# Altium PCB H-00488.PcbDoc (part 7 of 9)
Units mm, origin at the board's own origin, x right, y up, seen from the top; angles counter-clockwise.
Board outline 141.5 x 129 mm, 4 copper layers (Top Layer, Ground Plane, Power Plane, Bottom Layer), stack 1.536 mm thick; 527 components, 572 nets, 2185 pads, 1060 vias.
Unrouted connection lines stored in the file: 97.
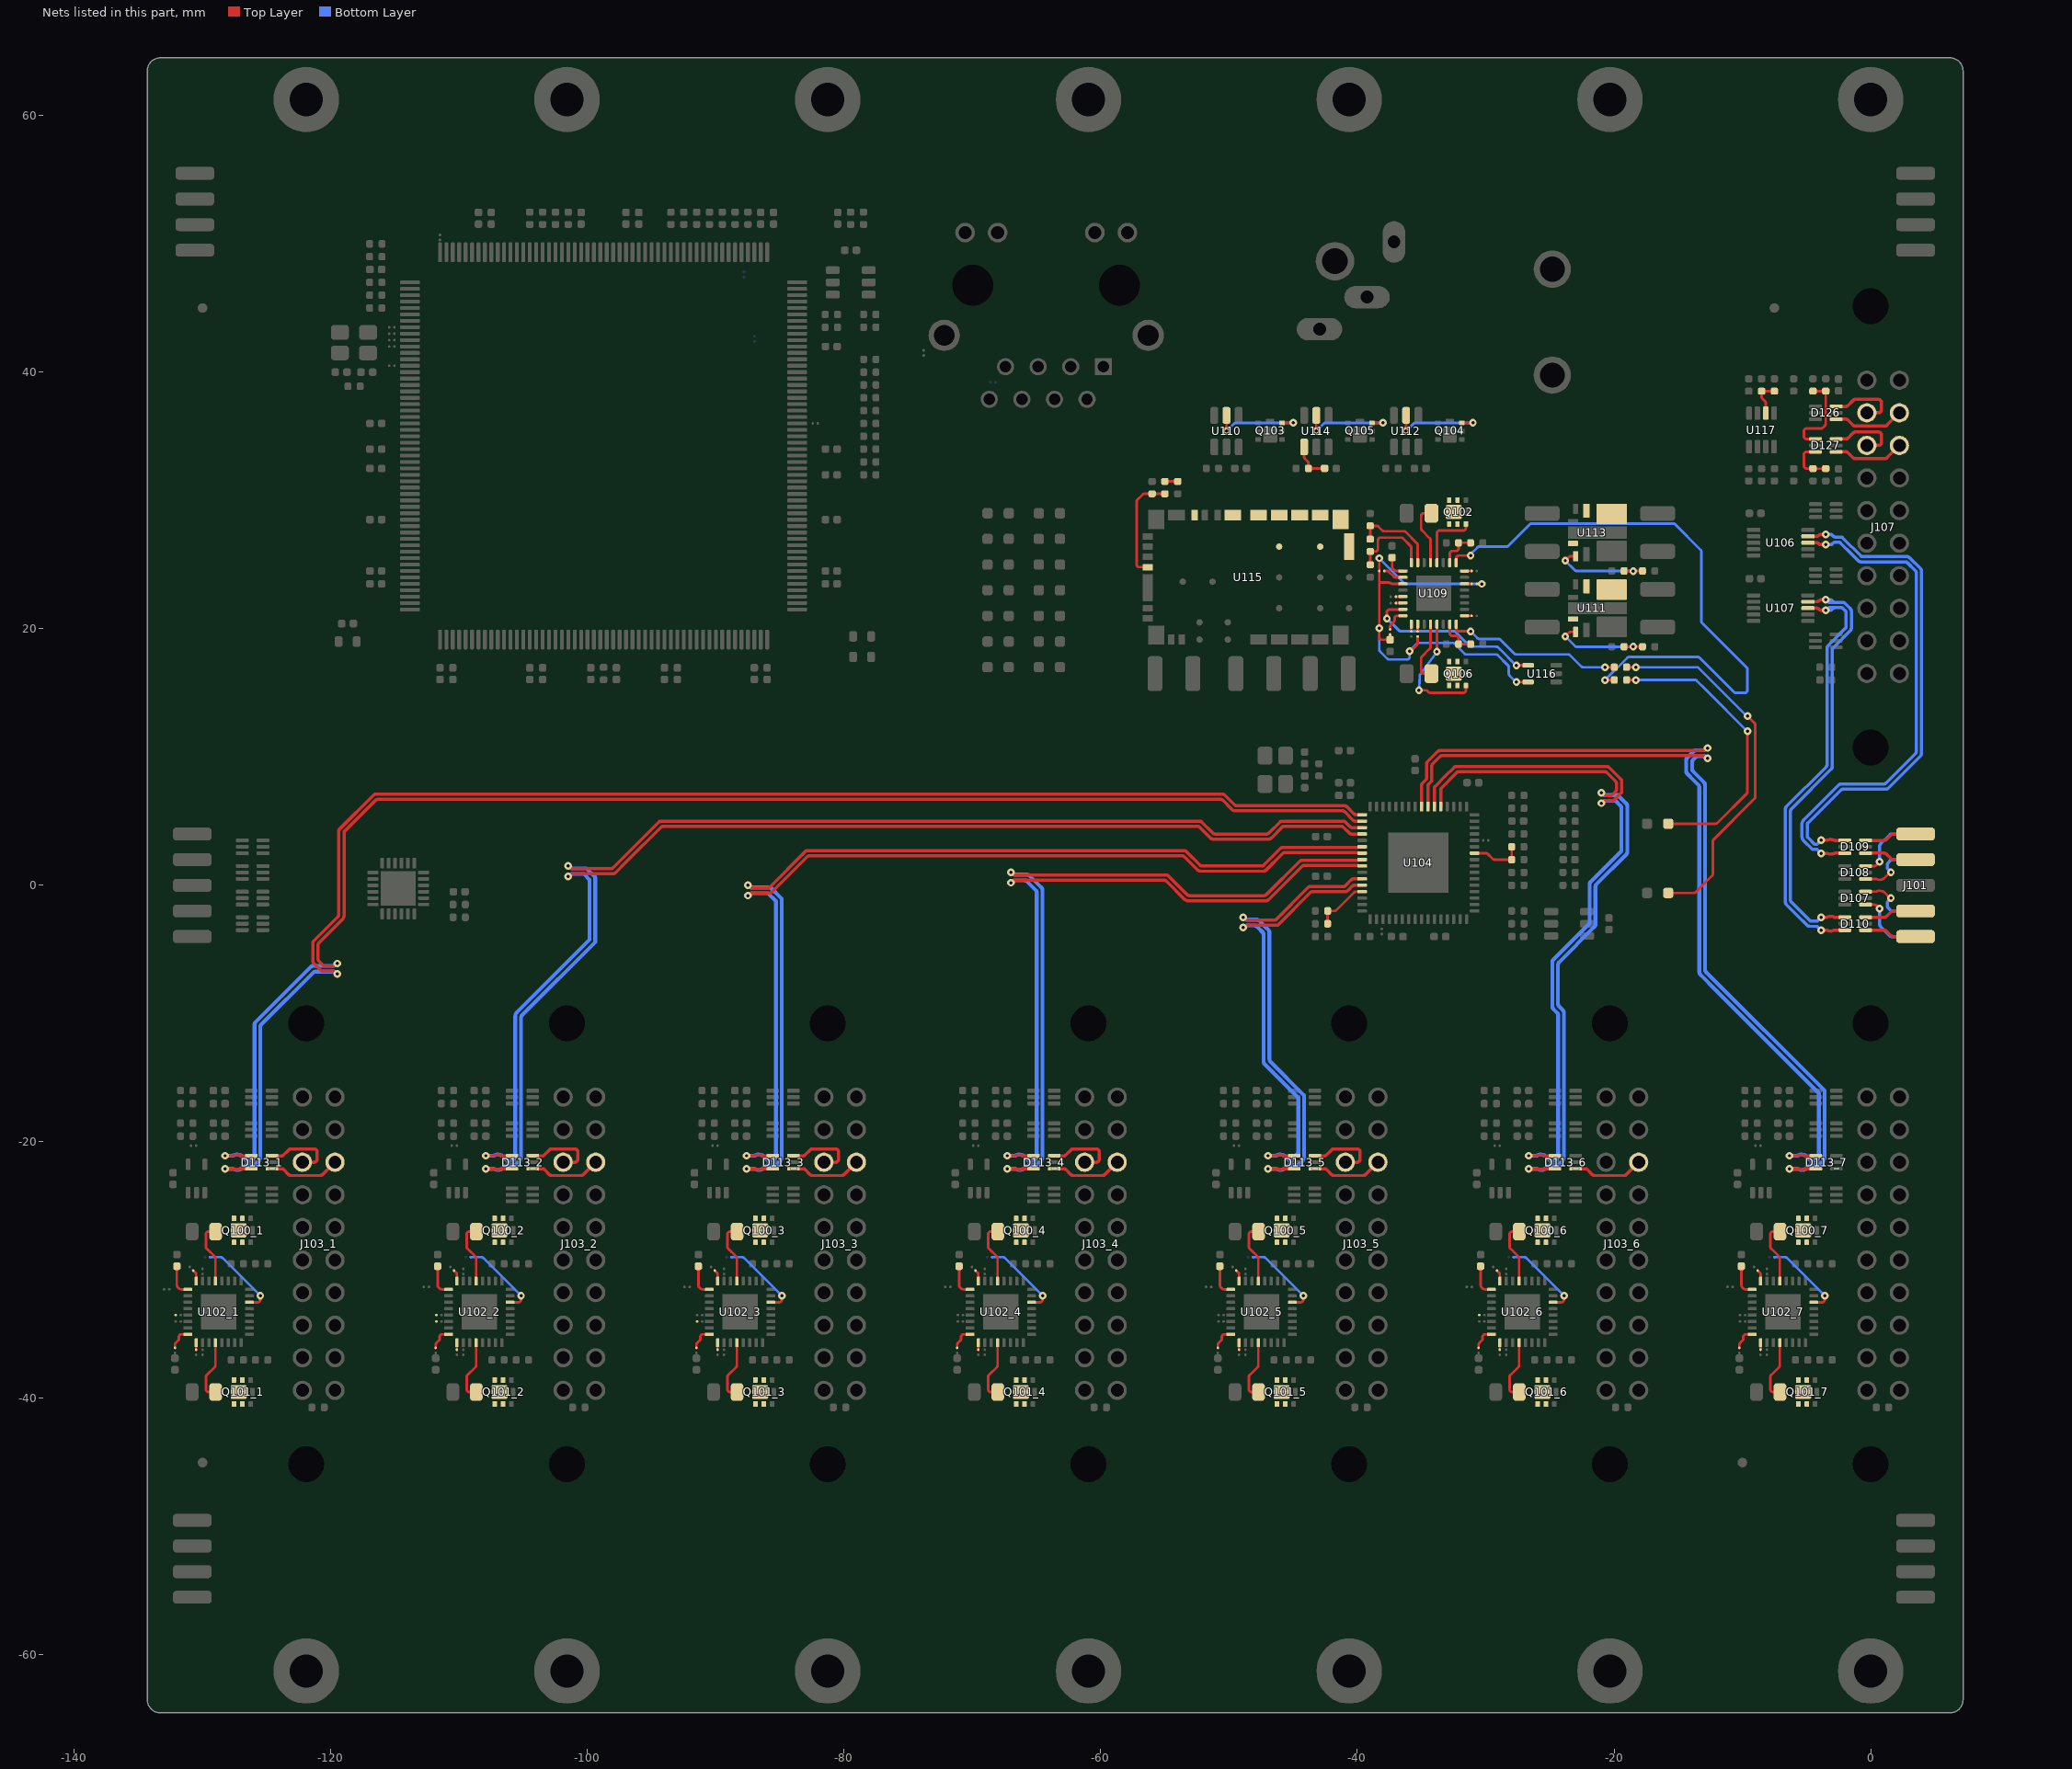
[diagram p9: the nets of this part, all layers, seen from the top]

## Via types
v1: diameter 0.6, hole 0.25, Top Layer to Bottom Layer, 934 vias
v2: diameter 0.7, hole 0.3, Top Layer to Bottom Layer, 112 vias
v3: diameter 1.27, hole 0.711, Top Layer to Bottom Layer, 14 vias

## Nets (pads, with @x,y where several pads share a name; then routed paths per layer and width w, separated by ;. In a path a pad name is that pad's centre, name@x,y a point inside that pad or via, vN(x,y) a via of type N, cw(c..) or ccw(c..) an arc to the next point about the centre after c; other vN are vias at no path point) (continued)
NetC169_1: C169.1 R185.2 U114.1 | length 3.1
  Top Layer w0.2: U114.1@-44.15,34.17 -44.15,33.391 ccw(c-43.95,33.392) -44.092,33.251 -43.878,33.037 ; -43.878,33.037 cw(c-44.02,32.897) -43.82,32.897 R185.2@-43.82,32.5 C169.1@-42.555,32.5
NetNT125_2_1: NT125_2.1
NetNT125_3_1: NT125_3.1
NetNT126_1_1: NT126_1.1
NetNT126_2_1: NT126_2.1
NetNT126_6_1: NT126_6.1
NetR101_2: R101.2 R193.1 | length 1
  Top Layer w0.2: R193.1@-55,31.48 R101.2@-54,31.48
NetR182_2: R182.2 R184.1 U111.1 | length 8
  Top Layer w0.2: v1(-23.8,19.4) -23.508,19.692 cw(c-23.367,19.55) -23.367,19.75 U111.1@-23,19.75 ; R182.2@-19.22,18.6 -18.54,18.6 cw(c-18.54,18.4) v1(-18.5,18.596) cw(c-18.46,18.4) -18.461,18.6 R184.1@-17.8,18.6
  Bottom Layer w0.2: v1(-23.8,19.4) -23.054,18.654 ccw(c-22.913,18.796) -22.914,18.596 -18.504,18.596 v1@-18.5,18.6
NetR186_2: R186.2 R187.1 U113.1 | length 8
  Top Layer w0.2: v1(-23.8,25.3) -23.508,25.592 cw(c-23.367,25.45) -23.367,25.65 U113.1@-23,25.65 ; R186.2@-19.22,24.5 -18.54,24.5 cw(c-18.54,24.3) v1(-18.5,24.496) cw(c-18.46,24.3) -18.461,24.5 R187.1@-17.8,24.5
  Bottom Layer w0.2: v1(-23.8,25.3) -23.054,24.554 ccw(c-22.913,24.696) -22.914,24.496 -18.504,24.496 v1@-18.5,24.5
NetR193_2: R193.2 R194.1 U115.15 | length 8.4
  Top Layer w0.2: -56.391,30.52 -56.597,30.52 ccw(c-56.597,30.32) -56.738,30.462 -57.142,30.058 ccw(c-57,29.917) -57.2,29.918 -57.2,25 ccw(c-57,25) -57,24.8 U115.15@-56.35,24.8 ; -56.39,30.52 R194.1@-56,30.52 R193.2@-55,30.52
ON_1: NT122_1.2 U102_1.22 | length 6.4
  Top Layer w0.2: U102_1.22@-126.346,-32.504 -125.7,-32.504 ccw(c-125.7,-32.304) -125.5,-32.304 v1(-125.5,-32.003)
  Bottom Layer w0.2: NT122_1.2@-129.41,-28.986 -128.596,-28.986 cw(c-128.596,-29.186) -128.455,-29.045 -125.51,-31.99 ccw(c-125.369,-31.848) v1@-125.5,-31.999
ON_2: NT122_2.2 U102_2.22 | length 6.4
  Top Layer w0.2: U102_2.22@-106.026,-32.504 -105.38,-32.504 ccw(c-105.38,-32.304) -105.18,-32.304 v1(-105.18,-32.003)
  Bottom Layer w0.2: NT122_2.2@-109.09,-28.986 -108.276,-28.986 cw(c-108.276,-29.186) -108.135,-29.045 v1@-105.19,-31.99
ON_3: NT122_3.2 U102_3.22 | length 6.4
  Top Layer w0.2: U102_3.22@-85.706,-32.504 -85.06,-32.504 ccw(c-85.06,-32.304) -84.86,-32.304 v1(-84.86,-32.003)
  Bottom Layer w0.2: NT122_3.2@-88.77,-28.986 -87.956,-28.986 cw(c-87.956,-29.186) -87.815,-29.045 v1@-84.87,-31.99
ON_4: NT122_4.2 U102_4.22 | length 6.4
  Top Layer w0.2: U102_4.22@-65.386,-32.504 -64.74,-32.504 ccw(c-64.74,-32.304) -64.54,-32.304 v1(-64.54,-32.003)
  Bottom Layer w0.2: NT122_4.2@-68.45,-28.986 -67.636,-28.986 cw(c-67.636,-29.186) -67.495,-29.045 v1@-64.55,-31.99
ON_5: NT122_5.2 U102_5.22 | length 6.4
  Top Layer w0.2: U102_5.22@-45.066,-32.504 -44.42,-32.504 ccw(c-44.42,-32.304) -44.22,-32.304 v1(-44.22,-32.003)
  Bottom Layer w0.2: NT122_5.2@-48.13,-28.986 -47.316,-28.986 cw(c-47.316,-29.186) -47.175,-29.045 v1@-44.23,-31.99
ON_6: NT122_6.2 U102_6.22 | length 6.4
  Top Layer w0.2: U102_6.22@-24.746,-32.504 -24.1,-32.504 ccw(c-24.1,-32.304) -23.9,-32.304 v1(-23.9,-32.003)
  Bottom Layer w0.2: NT122_6.2@-27.81,-28.986 -26.996,-28.986 cw(c-26.996,-29.186) -26.855,-29.045 v1@-23.91,-31.99
ON_7: NT122_7.2 U102_7.22 | length 6.4
  Top Layer w0.2: U102_7.22@-4.426,-32.504 -3.78,-32.504 ccw(c-3.78,-32.304) -3.58,-32.304 v1(-3.58,-32.003)
  Bottom Layer w0.2: NT122_7.2@-7.49,-28.986 -6.676,-28.986 cw(c-6.676,-29.186) -6.535,-29.045 v1@-3.59,-31.99
OV1_1: NT119_1.2 U102_1.32 | length 0.9
  Top Layer w0.2: NT119_1.2@-130.725,-30.033 -130.559,-30.2 cw(c-130.7,-30.341) -130.5,-30.341 U102_1.32@-130.5,-30.854
OV1_2: NT119_2.2 U102_2.32 | length 0.9
  Top Layer w0.2: NT119_2.2@-110.406,-30.033 -110.239,-30.2 cw(c-110.38,-30.341) -110.18,-30.341 U102_2.32@-110.18,-30.854
OV1_3: NT119_3.2 U102_3.32 | length 0.9
  Top Layer w0.2: NT119_3.2@-90.086,-30.033 -89.919,-30.2 cw(c-90.06,-30.341) -89.86,-30.341 U102_3.32@-89.86,-30.854
OV1_4: NT119_4.2 U102_4.32 | length 0.9
  Top Layer w0.2: NT119_4.2@-69.766,-30.033 -69.599,-30.2 cw(c-69.74,-30.341) -69.54,-30.341 U102_4.32@-69.54,-30.854
OV1_5: NT119_5.2 U102_5.32 | length 0.9
  Top Layer w0.2: NT119_5.2@-49.446,-30.033 -49.279,-30.2 cw(c-49.42,-30.341) -49.22,-30.341 U102_5.32@-49.22,-30.854
OV1_6: NT119_6.2 U102_6.32 | length 0.9
  Top Layer w0.2: NT119_6.2@-29.126,-30.033 -28.959,-30.2 cw(c-29.1,-30.341) -28.9,-30.341 U102_6.32@-28.9,-30.854
OV1_7: NT119_7.2 U102_7.32 | length 0.9
  Top Layer w0.2: NT119_7.2@-8.806,-30.033 -8.639,-30.2 cw(c-8.78,-30.341) -8.58,-30.341 U102_7.32@-8.58,-30.854
OV2_1: NT121_1.2 U102_1.9 | length 0.6
  Top Layer w0.2: NT121_1.2@-130.5,-36.2 U102_1.9@-130.5,-35.654 U102_1.9@-130.496,-35.65
OV2_2: NT121_2.2 U102_2.9 | length 0.6
  Top Layer w0.2: NT121_2.2@-110.18,-36.2 U102_2.9@-110.18,-35.654 U102_2.9@-110.176,-35.65
OV2_3: NT121_3.2 U102_3.9 | length 0.6
  Top Layer w0.2: NT121_3.2@-89.86,-36.2 U102_3.9@-89.86,-35.654 U102_3.9@-89.856,-35.65
OV2_4: NT121_4.2 U102_4.9 | length 0.6
  Top Layer w0.2: NT121_4.2@-69.54,-36.2 U102_4.9@-69.54,-35.654 U102_4.9@-69.536,-35.65
OV2_5: NT121_5.2 U102_5.9 | length 0.6
  Top Layer w0.2: NT121_5.2@-49.22,-36.2 U102_5.9@-49.22,-35.654 U102_5.9@-49.216,-35.65
OV2_6: NT121_6.2 U102_6.9 | length 0.6
  Top Layer w0.2: NT121_6.2@-28.9,-36.2 U102_6.9@-28.9,-35.654 U102_6.9@-28.896,-35.65
OV2_7: NT121_7.2 U102_7.9 | length 0.6
  Top Layer w0.2: NT121_7.2@-8.58,-36.2 U102_7.9@-8.58,-35.654 U102_7.9@-8.576,-35.65
PWR_ADR0: NT137.2 U109.5 | length 0.6
  Top Layer w0.2: NT137.2@-37,22.5 U109.5@-36.45,22.5
PWR_ADR1: NT136.2 U109.6 | length 0.6
  Top Layer w0.2: NT136.2@-37,22 U109.6@-36.45,22
PWR_ADR2: U109.7 U116.4 | length 14.5
  Top Layer w0.2: v1@-37.7,20.603 -37.7,21.301 cw(c-37.5,21.3) -37.501,21.5 U109.7@-36.45,21.5 ; v1(-27.6,17.15) U116.4@-26.7,17.15
  Bottom Layer w0.2: v1(-37.7,20.8) cw(c-37.835,20.652) -37.694,20.794 -36.759,19.859 ccw(c-36.617,20) -36.618,19.8 -32.483,19.8 cw(c-32.483,19.6) -32.342,19.742 -32.211,19.611 -31.601,19.001 -31.258,18.658 ccw(c-31.117,18.8) -31.119,18.6 -29.183,18.6 cw(c-29.183,18.4) -29.041,18.541 -28.9,18.4 v1@-27.65,17.15
PWR_CONFIG: NT135.2 U109.2 | length 1.6
  Top Layer w0.2: NT135.2@-37.9,24.5 ccw(c-37.897,24.7) -37.898,24.5 -37.699,24.5 cw(c-37.699,24.3) -37.558,24.442 -37.173,24.058 ccw(c-37.033,24.2) -37.035,24 U109.2@-36.45,24
PWR_EN1: NT132.1 U109.24 | length 0.6
  Top Layer w0.2: U109.24@-31.65,24.496 -31.646,24.5 NT132.1@-31.1,24.5
PWR_EN2: NT134.1 U109.17 | length 0.5
  Top Layer w0.2: U109.17@-31.6,21 NT134.1@-31.1,21
PWR_EN_2P1: U113.9
PWR_EN_3P3: U111.9
PWR_FB1: R177.2 R180.1 U109.26 | length 3
  Top Layer w0.2: U109.26@-32.8,25.15 -32.8,25.857 cw(c-32.6,25.858) -32.601,26.058 -32.32,26.058 ccw(c-32.32,26.258) -32.12,26.259 R177.2@-32.12,26.7 R180.1@-31.18,26.7
PWR_FB2: R189.2 R190.1 U109.15 | length 3
  Top Layer w0.2: U109.15@-32.8,20.35 -32.8,19.643 ccw(c-32.6,19.642) -32.601,19.442 -32.32,19.442 cw(c-32.32,19.242) -32.12,19.241 R189.2@-32.12,18.8 R190.1@-31.18,18.8
PWR_GATE1: Q102.3 U109.28 | length 5.1
  Top Layer w0.2: U109.28@-33.8,25.15 -33.8,27.453 cw(c-33.6,27.452) -33.601,27.652 -31.749,27.652 ccw(c-31.75,27.852) -31.55,27.852 Q102.3@-31.55,28.165
PWR_GATE2: Q106.3 U109.13 | length 10
  Top Layer w0.2: v1(-35.2,15.2) -34.683,15.2 cw(c-34.683,15) -34.542,15.142 -34.499,15.099 -34.459,15.059 ccw(c-34.317,15.2) -34.317,15 -31.749,15 ccw(c-31.75,15.2) -31.55,15.2 Q106.3@-31.55,15.565 ; v1(-33.8,18.2) -33.8,20.096 U109.13@-33.8,20.346
  Bottom Layer w0.2: v1@-35.2,15 -35.149,16.386 v1(-33.8,18.2)
PWR_GATEA: Q103.3 U110.5 | length 7.5
  Top Layer w0.2: v1(-50.2,35.4) U110.5@-50.2,36.63 ; Q103.3@-45.865,36.05 v1@-45.05,36.05
  Bottom Layer w0.2: v1(-50.2,35.4) -49.609,35.991 cw(c-49.467,35.85) -49.468,36.05 ; -49.467,36.05 v1(-45,36.05)
PWR_GATEB: Q104.3 U112.5 | length 7.6
  Top Layer w0.2: v1(-36.2,35.4) U112.5@-36.2,36.63 ; Q104.3@-31.865,36.05 -31.05,36.05 v1@-31,36
  Bottom Layer w0.2: v1(-36.2,35.4) -35.609,35.991 cw(c-35.467,35.85) -35.468,36.05 v1(-31,36.05)
PWR_GATEC: Q105.3 U114.5 | length 7.5
  Top Layer w0.2: v1(-43.2,35.4) U114.5@-43.2,36.63 ; Q105.3@-38.865,36.05 v1@-38.05,36.05
  Bottom Layer w0.2: v1(-43.2,35.4) -42.609,35.991 cw(c-42.467,35.85) -42.468,36.05 ; -42.467,36.05 v1(-38,36.05)
PWR_INTVCC: C172.1 NT129.1 NT131.1 NT133.1 NT135.1 U109.3 U116.5 | length 36.1
  Top Layer w0.2: -38.3,23.601 -38.3,24.001 NT135.1@-38.3,24.5 -38.3,25.382 ccw(c-38.5,25.381) -38.303,25.415 cw(c-38.106,25.45) v1(-38.3,25.5) ; NT133.1@-37.454,19.546 C172.1@-37.454,19.138 -38.1,19.138 cw(c-38.1,19.338) -38.3,19.336 v1(-38.3,20.03) -38.3,23.597 -37.551,23.597 cw(c-37.55,23.397) -37.442,23.565 -37.427,23.556 ccw(c-37.288,23.7) -37.288,23.5 -36.7,23.5 U109.3@-36.45,23.5 ; v1(-35.929,18.254) ccw(c-35.929,18.454) -35.788,18.313 -35.359,18.741 ccw(c-35.5,18.883) -35.3,18.883 NT129.1@-35.3,19.4 ; NT131.1@-30.7,23.5 -30.4,23.5 -30.396,23.496 v1(-30.3,23.496) ; v1(-27.6,15.85) U116.5@-26.7,15.85
  Bottom Layer w0.2: v1@-38.3,20 -38.3,18.382 ccw(c-38.1,18.383) -38.243,18.243 -37.659,17.659 ccw(c-37.517,17.8) -37.517,17.6 -36.128,17.6 ccw(c-36.129,17.8) -35.929,17.8 v1(-35.929,18.254) ; v1@-38.3,25.4 -38.2,25.4 -36.296,23.496 v1(-30.3,23.496) ; v1(-35.929,18.254) -35.938,18.262 -35.359,18.841 cw(c-35.217,18.7) -35.217,18.9 -32.583,18.9 cw(c-32.583,18.7) -32.441,18.841 -31.659,18.059 ccw(c-31.517,18.2) -31.517,18 -29.202,18 cw(c-29.202,17.8) -29.061,17.942 -28.258,17.139 cw(c-28.4,16.998) -28.2,16.998 -28.2,16.483 ccw(c-28,16.483) -28.142,16.342 ; -28.141,16.341 -27.704,15.904 ccw(c-27.564,16.047) v1(-27.6,15.85)
PWR_LM_VCC: U115.9
PWR_ON: NT131.2 U109.22 | length 0.5
  Top Layer w0.2: U109.22@-31.6,23.5 NT131.2@-31.1,23.5
PWR_OV1: R179.2 R181.1 U109.32 | length 6.7
  Top Layer w0.2: R181.1@-39,24.98 R179.2@-39,26.02 -38.6,26.02 ccw(c-38.6,26.22) -38.4,26.22 -38.4,26.901 cw(c-38.2,26.9) -38.2,27.1 -36.583,27.1 cw(c-36.583,26.9) -36.442,27.042 -35.859,26.459 cw(c-36,26.317) -35.8,26.318 ; U109.32@-35.8,25.15 -35.8,26.317
PWR_OV2: NT130.2 U109.9 | length 0.6
  Top Layer w0.2: NT130.2@-35.8,19.8 -35.8,20.346 U109.9@-35.796,20.35
PWR_PGOOD_5V: R192.2 U109.16 | length 13.9
  Top Layer w0.2: U109.16@-32.3,20.35 -32.3,19.999 ccw(c-32.1,20) -32.101,19.8 -31.607,19.8 -31.26,19.8 v1(-31.18,19.8) ; v1(-20.7,17) R192.2@-19.98,17
  Bottom Layer w0.2: v1(-31.18,19.8) -30.639,19.259 ccw(c-30.497,19.4) -30.497,19.2 -28.983,19.2 cw(c-28.983,19) -28.841,19.141 -27.758,18.058 ccw(c-27.617,18.2) -27.619,18 -23.583,18 cw(c-23.583,17.8) -23.442,17.942 -22.559,17.059 ccw(c-22.417,17.2) -22.419,17 v1(-20.7,17)
PWR_PGOOD_5V_R: D132.C R192.1 | length 29
  Top Layer w0.2: R192.1@-19.02,17 v1(-18.3,17) ; D132.C@-15.775,-0.6 -13.783,-0.6 ccw(c-13.783,-0.4) -13.642,-0.542 -12.358,0.742 ccw(c-12.5,0.883) -12.3,0.883 -12.3,3.418 cw(c-12.1,3.417) -12.242,3.558 -9.059,6.741 ccw(c-9.2,6.883) -9,6.883 -9,12.517 ccw(c-9.2,12.517) -9.059,12.659 v1(-9.6,13.2)
  Bottom Layer w0.2: v1(-18.3,17) -13.473,17 -9.673,13.2 v1(-9.6,13.2)
PWR_PGOOD_24V: R191.2 U109.25 | length 47.6
  Top Layer w0.2: U109.25@-32.3,25.15 -32.3,25.501 cw(c-32.1,25.5) -32.101,25.7 -31.607,25.7 -31.26,25.7 v1(-31.18,25.7) ; v1(-20.7,16) R191.2@-19.98,16
  Bottom Layer w0.2: v1@-31.2,25.78 -30.638,26.341 cw(c-30.497,26.2) -30.497,26.4 -28.383,26.4 ccw(c-28.383,26.6) -28.242,26.458 -26.558,28.142 cw(c-26.417,28) -26.417,28.2 -15.383,28.2 cw(c-15.383,28) -15.241,28.141 -13.259,26.159 cw(c-13.4,26.017) -13.2,26.018 ; v1(-20.7,16) -18.959,17.741 cw(c-18.817,17.6) -18.817,17.8 -13.483,17.8 cw(c-13.483,17.6) -13.342,17.742 -10.658,15.058 ccw(c-10.517,15.2) -10.518,15 -9.799,15 ccw(c-9.8,15.2) -9.6,15.2 -9.6,16.817 ; -13.2,26.017 -13.2,20.583 ccw(c-13,20.583) -13.142,20.442 -9.658,16.958 cw(c-9.8,16.817) -9.6,16.818
PWR_PGOOD_24V_R: D131.C R191.1 | length 22.9
  Top Layer w0.2: R191.1@-19.02,16 v1(-18.3,16) ; D131.C@-15.775,4.8 -12.083,4.8 ccw(c-12.083,5) -11.942,4.858 -9.659,7.141 ccw(c-9.8,7.283) -9.6,7.283 -9.6,11.3 v1(-9.6,12)
  Bottom Layer w0.2: v1@-18.2,16 -13.683,16 cw(c-13.683,15.8) -13.542,15.942 -12.848,15.248 v1@-9.601,12.001
PWR_SENSE1: Q102.1 Q102.2 Q102.5 Q102.6 Q102.7 R175.1 U109.29 | length 4.8
  Top Layer w0.2: U109.29@-34.3,25.15 -34.3,26.917 ccw(c-34.5,26.917) -34.358,27.058 -34.979,27.678 cw(c-34.836,27.819) -35.036,27.817 -35.036,28.8 cw(c-34.836,28.8) -34.836,29 R175.1@-34.285,29
PWR_SENSE2: Q106.1 Q106.2 Q106.5 Q106.6 Q106.7 R188.1 U109.12 | length 4.8
  Top Layer w0.2: U109.12@-34.3,20.342 -34.3,18.575 cw(c-34.5,18.575) -34.358,18.434 -34.979,17.814 ccw(c-34.836,17.673) -35.036,17.675 -35.036,16.7 ccw(c-34.836,16.7) -34.835,16.5 -34.765,16.5 -34.53,16.5 R188.1@-34.235,16.5
PWR_SS: C173.1 U109.1 | length 1.7
  Top Layer w0.2: C173.1@-37.3,25.545 -37.3,24.873 ccw(c-36.929,24.871) -36.926,24.5 U109.1@-36.45,24.5
PWR_SW_2P1: U113.4 U113.5
PWR_SW_3P3: U111.4 U111.5
PWR_SW_NC: U115.1 U115.2 U115.3 U115.4 U115.5 U115.6 U115.31 U115.32 U115.33
PWR_TIMER: NT133.2 U109.8 | length 1.7
  Top Layer w0.2: NT133.2@-37.454,19.946 -37.454,20.15 cw(c-37.254,20.149) -37.396,20.289 -37.158,20.528 ccw(c-37.3,20.668) -37.1,20.668 -37.1,20.8 cw(c-36.9,20.8) -36.9,21 U109.8@-36.45,21
PWR_UV1: R176.2 R179.1 U109.31 | length 6.7
  Top Layer w0.2: R179.1@-39,26.98 R176.2@-39,28.02 -38.503,28.02 cw(c-38.503,27.82) -38.362,27.962 -38.315,27.915 -38.059,27.659 ccw(c-37.917,27.8) -37.917,27.6 -36.383,27.6 cw(c-36.383,27.4) -36.241,27.541 -35.359,26.659 cw(c-35.5,26.517) -35.3,26.518 ; U109.31@-35.3,25.15 -35.3,26.517
PWR_UV2: NT129.2 U109.10 | length 0.6
  Top Layer w0.2: NT129.2@-35.3,19.8 -35.3,20.346 U109.10@-35.296,20.35
RESET_HOST: D127.3 J107.B3 | length 5.7
  Top Layer w0.25: D127.3@-2.67,34.79 -1.915,34.79 ccw(c-1.915,34.99) -1.773,34.849 -1.363,35.259 cw(c-1.186,35.082) -1.186,35.332 0.599,35.332 cw(c0.599,35.082) 0.849,35.081 0.849,34.541 cw(c0.599,34.54) 0.599,34.29 J107.B3@-0.3,34.29
RESET_R: D127.4 R169.1 R171.1 | length 7
  Top Layer w0.2: R169.1@-4.5,38.52 R171.1@-3.5,38.52 -3.5,35.983 cw(c-3.7,35.983) -3.559,35.841 -3.741,35.659 cw(c-3.883,35.8) -3.883,35.6 -5.001,35.6 ccw(c-5,35.4) -5.2,35.401 -5.2,34.989 ccw(c-5,34.99) -5.001,34.79 D127.4@-4.3,34.79
SCL_HOST: D126.3 J107.B2 | length 5.7
  Top Layer w0.25: D126.3@-2.67,37.33 -1.915,37.33 ccw(c-1.915,37.53) -1.773,37.389 -1.363,37.799 cw(c-1.186,37.622) -1.186,37.872 0.599,37.872 cw(c0.599,37.622) 0.849,37.621 0.849,37.081 cw(c0.599,37.08) 0.599,36.83 J107.B2@-0.3,36.83
SDA_HOST: D126.1 J107.A2 | length 5.5
  Top Layer w0.25: D126.1@-2.67,36.33 -1.915,36.33 cw(c-1.915,36.13) -1.773,36.271 -1.372,35.87 ccw(c-1.195,36.047) -1.195,35.797 1.103,35.797 ccw(c1.103,36.047) 1.28,35.87 J107.A2@2.24,36.83
SELECT_HJOST: D127.1 J107.A3 | length 5.5
  Top Layer w0.25: D127.1@-2.67,33.79 -1.915,33.79 cw(c-1.915,33.59) -1.773,33.731 -1.372,33.33 ccw(c-1.195,33.507) -1.195,33.257 1.103,33.257 ccw(c1.103,33.507) 1.28,33.33 J107.A3@2.24,34.29
SELECT_R: D127.6 R170.1 R172.1 | length 3.7
  Top Layer w0.2: D127.6@-4.3,33.79 -4.961,33.79 ccw(c-4.961,33.54) -5.211,33.54 -5.211,32.729 ccw(c-4.961,32.73) -4.962,32.48 R170.1@-4.5,32.48 R172.1@-3.5,32.48
SENSE1_1: Q100_1.1 Q100_1.2 Q100_1.5 Q100_1.6 Q100_1.7 R139_1.1 U102_1.29 | length 4.8
  Top Layer w0.2: U102_1.29@-129,-30.85 -129,-29.083 ccw(c-129.2,-29.083) -129.058,-28.942 -129.678,-28.322 cw(c-129.536,-28.181) -129.736,-28.183 -129.736,-27.2 cw(c-129.536,-27.2) -129.536,-27 R139_1.1@-128.985,-27
SENSE1_2: Q100_2.1 Q100_2.2 Q100_2.5 Q100_2.6 Q100_2.7 R139_2.1 U102_2.29 | length 4.8
  Top Layer w0.2: U102_2.29@-108.68,-30.85 -108.68,-29.083 ccw(c-108.88,-29.083) -108.738,-28.942 -109.358,-28.322 cw(c-109.216,-28.181) -109.416,-28.183 -109.416,-27.2 cw(c-109.216,-27.2) -109.216,-27 R139_2.1@-108.665,-27
SENSE1_3: Q100_3.1 Q100_3.2 Q100_3.5 Q100_3.6 Q100_3.7 R139_3.1 U102_3.29 | length 4.8
  Top Layer w0.2: U102_3.29@-88.36,-30.85 -88.36,-29.083 ccw(c-88.56,-29.083) -88.418,-28.942 -89.038,-28.322 cw(c-88.896,-28.181) -89.096,-28.183 -89.096,-27.2 cw(c-88.896,-27.2) -88.896,-27 R139_3.1@-88.345,-27
SENSE1_4: Q100_4.1 Q100_4.2 Q100_4.5 Q100_4.6 Q100_4.7 R139_4.1 U102_4.29 | length 4.8
  Top Layer w0.2: U102_4.29@-68.04,-30.85 -68.04,-29.083 ccw(c-68.24,-29.083) -68.098,-28.942 -68.718,-28.322 cw(c-68.576,-28.181) -68.776,-28.183 -68.776,-27.2 cw(c-68.576,-27.2) -68.576,-27 R139_4.1@-68.025,-27
SENSE1_5: Q100_5.1 Q100_5.2 Q100_5.5 Q100_5.6 Q100_5.7 R139_5.1 U102_5.29 | length 4.8
  Top Layer w0.2: U102_5.29@-47.72,-30.85 -47.72,-29.083 ccw(c-47.92,-29.083) -47.778,-28.942 -48.398,-28.322 cw(c-48.256,-28.181) -48.456,-28.183 -48.456,-27.2 cw(c-48.256,-27.2) -48.256,-27 R139_5.1@-47.705,-27
SENSE1_6: Q100_6.1 Q100_6.2 Q100_6.5 Q100_6.6 Q100_6.7 R139_6.1 U102_6.29 | length 4.8
  Top Layer w0.2: U102_6.29@-27.4,-30.85 -27.4,-29.083 ccw(c-27.6,-29.083) -27.458,-28.942 -28.078,-28.322 cw(c-27.936,-28.181) -28.136,-28.183 -28.136,-27.2 cw(c-27.936,-27.2) -27.936,-27 R139_6.1@-27.385,-27
SENSE1_7: Q100_7.1 Q100_7.2 Q100_7.5 Q100_7.6 Q100_7.7 R139_7.1 U102_7.29 | length 4.8
  Top Layer w0.2: U102_7.29@-7.08,-30.85 -7.08,-29.083 ccw(c-7.28,-29.083) -7.138,-28.942 -7.758,-28.322 cw(c-7.616,-28.181) -7.816,-28.183 -7.816,-27.2 cw(c-7.616,-27.2) -7.616,-27 R139_7.1@-7.065,-27
SENSE2_1: Q101_1.1 Q101_1.2 Q101_1.5 Q101_1.6 Q101_1.7 R142_1.1 U102_1.12 | length 4.8
  Top Layer w0.2: U102_1.12@-129,-35.65 -129,-37.417 cw(c-129.2,-37.417) -129.059,-37.559 -129.677,-38.177 ccw(c-129.536,-38.319) -129.736,-38.319 -129.736,-39.3 ccw(c-129.536,-39.3) -129.536,-39.5 R142_1.1@-128.985,-39.5
SENSE2_2: Q101_2.1 Q101_2.2 Q101_2.5 Q101_2.6 Q101_2.7 R142_2.1 U102_2.12 | length 4.8
  Top Layer w0.2: U102_2.12@-108.68,-35.65 -108.68,-37.417 cw(c-108.88,-37.417) -108.739,-37.559 -109.357,-38.177 ccw(c-109.216,-38.319) -109.416,-38.319 -109.416,-39.3 ccw(c-109.216,-39.3) -109.216,-39.5 R142_2.1@-108.665,-39.5
SENSE2_3: Q101_3.1 Q101_3.2 Q101_3.5 Q101_3.6 Q101_3.7 R142_3.1 U102_3.12 | length 4.8
  Top Layer w0.2: U102_3.12@-88.36,-35.65 -88.36,-37.417 cw(c-88.56,-37.417) -88.419,-37.559 -89.037,-38.177 ccw(c-88.896,-38.319) -89.096,-38.319 -89.096,-39.3 ccw(c-88.896,-39.3) -88.896,-39.5 R142_3.1@-88.345,-39.5
SENSE2_4: Q101_4.1 Q101_4.2 Q101_4.5 Q101_4.6 Q101_4.7 R142_4.1 U102_4.12 | length 4.8
  Top Layer w0.2: U102_4.12@-68.04,-35.65 -68.04,-37.417 cw(c-68.24,-37.417) -68.099,-37.559 -68.717,-38.177 ccw(c-68.576,-38.319) -68.776,-38.319 -68.776,-39.3 ccw(c-68.576,-39.3) -68.576,-39.5 R142_4.1@-68.025,-39.5
SENSE2_5: Q101_5.1 Q101_5.2 Q101_5.5 Q101_5.6 Q101_5.7 R142_5.1 U102_5.12 | length 4.8
  Top Layer w0.2: U102_5.12@-47.72,-35.65 -47.72,-37.417 cw(c-47.92,-37.417) -47.779,-37.559 -48.397,-38.177 ccw(c-48.256,-38.319) -48.456,-38.319 -48.456,-39.3 ccw(c-48.256,-39.3) -48.256,-39.5 R142_5.1@-47.705,-39.5
SENSE2_6: Q101_6.1 Q101_6.2 Q101_6.5 Q101_6.6 Q101_6.7 R142_6.1 U102_6.12 | length 4.8
  Top Layer w0.2: U102_6.12@-27.4,-35.65 -27.4,-37.417 cw(c-27.6,-37.417) -27.459,-37.559 -28.077,-38.177 ccw(c-27.936,-38.319) -28.136,-38.319 -28.136,-39.3 ccw(c-27.936,-39.3) -27.936,-39.5 R142_6.1@-27.385,-39.5
SENSE2_7: Q101_7.1 Q101_7.2 Q101_7.5 Q101_7.6 Q101_7.7 R142_7.1 U102_7.12 | length 4.8
  Top Layer w0.2: U102_7.12@-7.08,-35.65 -7.08,-37.417 cw(c-7.28,-37.417) -7.139,-37.559 -7.757,-38.177 ccw(c-7.616,-38.319) -7.816,-38.319 -7.816,-39.3 ccw(c-7.616,-39.3) -7.616,-39.5 R142_7.1@-7.065,-39.5
SS_1: C141_1.1 U102_1.1 | length 2.5
  Top Layer w0.2: C141_1.1@-132,-29.696 -132,-31.127 ccw(c-131.625,-31.129) -131.624,-31.504 U102_1.1@-131.189,-31.504
SS_2: C141_2.1 U102_2.1 | length 2.5
  Top Layer w0.2: C141_2.1@-111.68,-29.696 -111.68,-31.127 ccw(c-111.305,-31.129) -111.304,-31.504 U102_2.1@-110.869,-31.504